# Altium PCB BLDC_DRIVER_1.1_auto.PcbDoc (part 1 of 3) (continued)
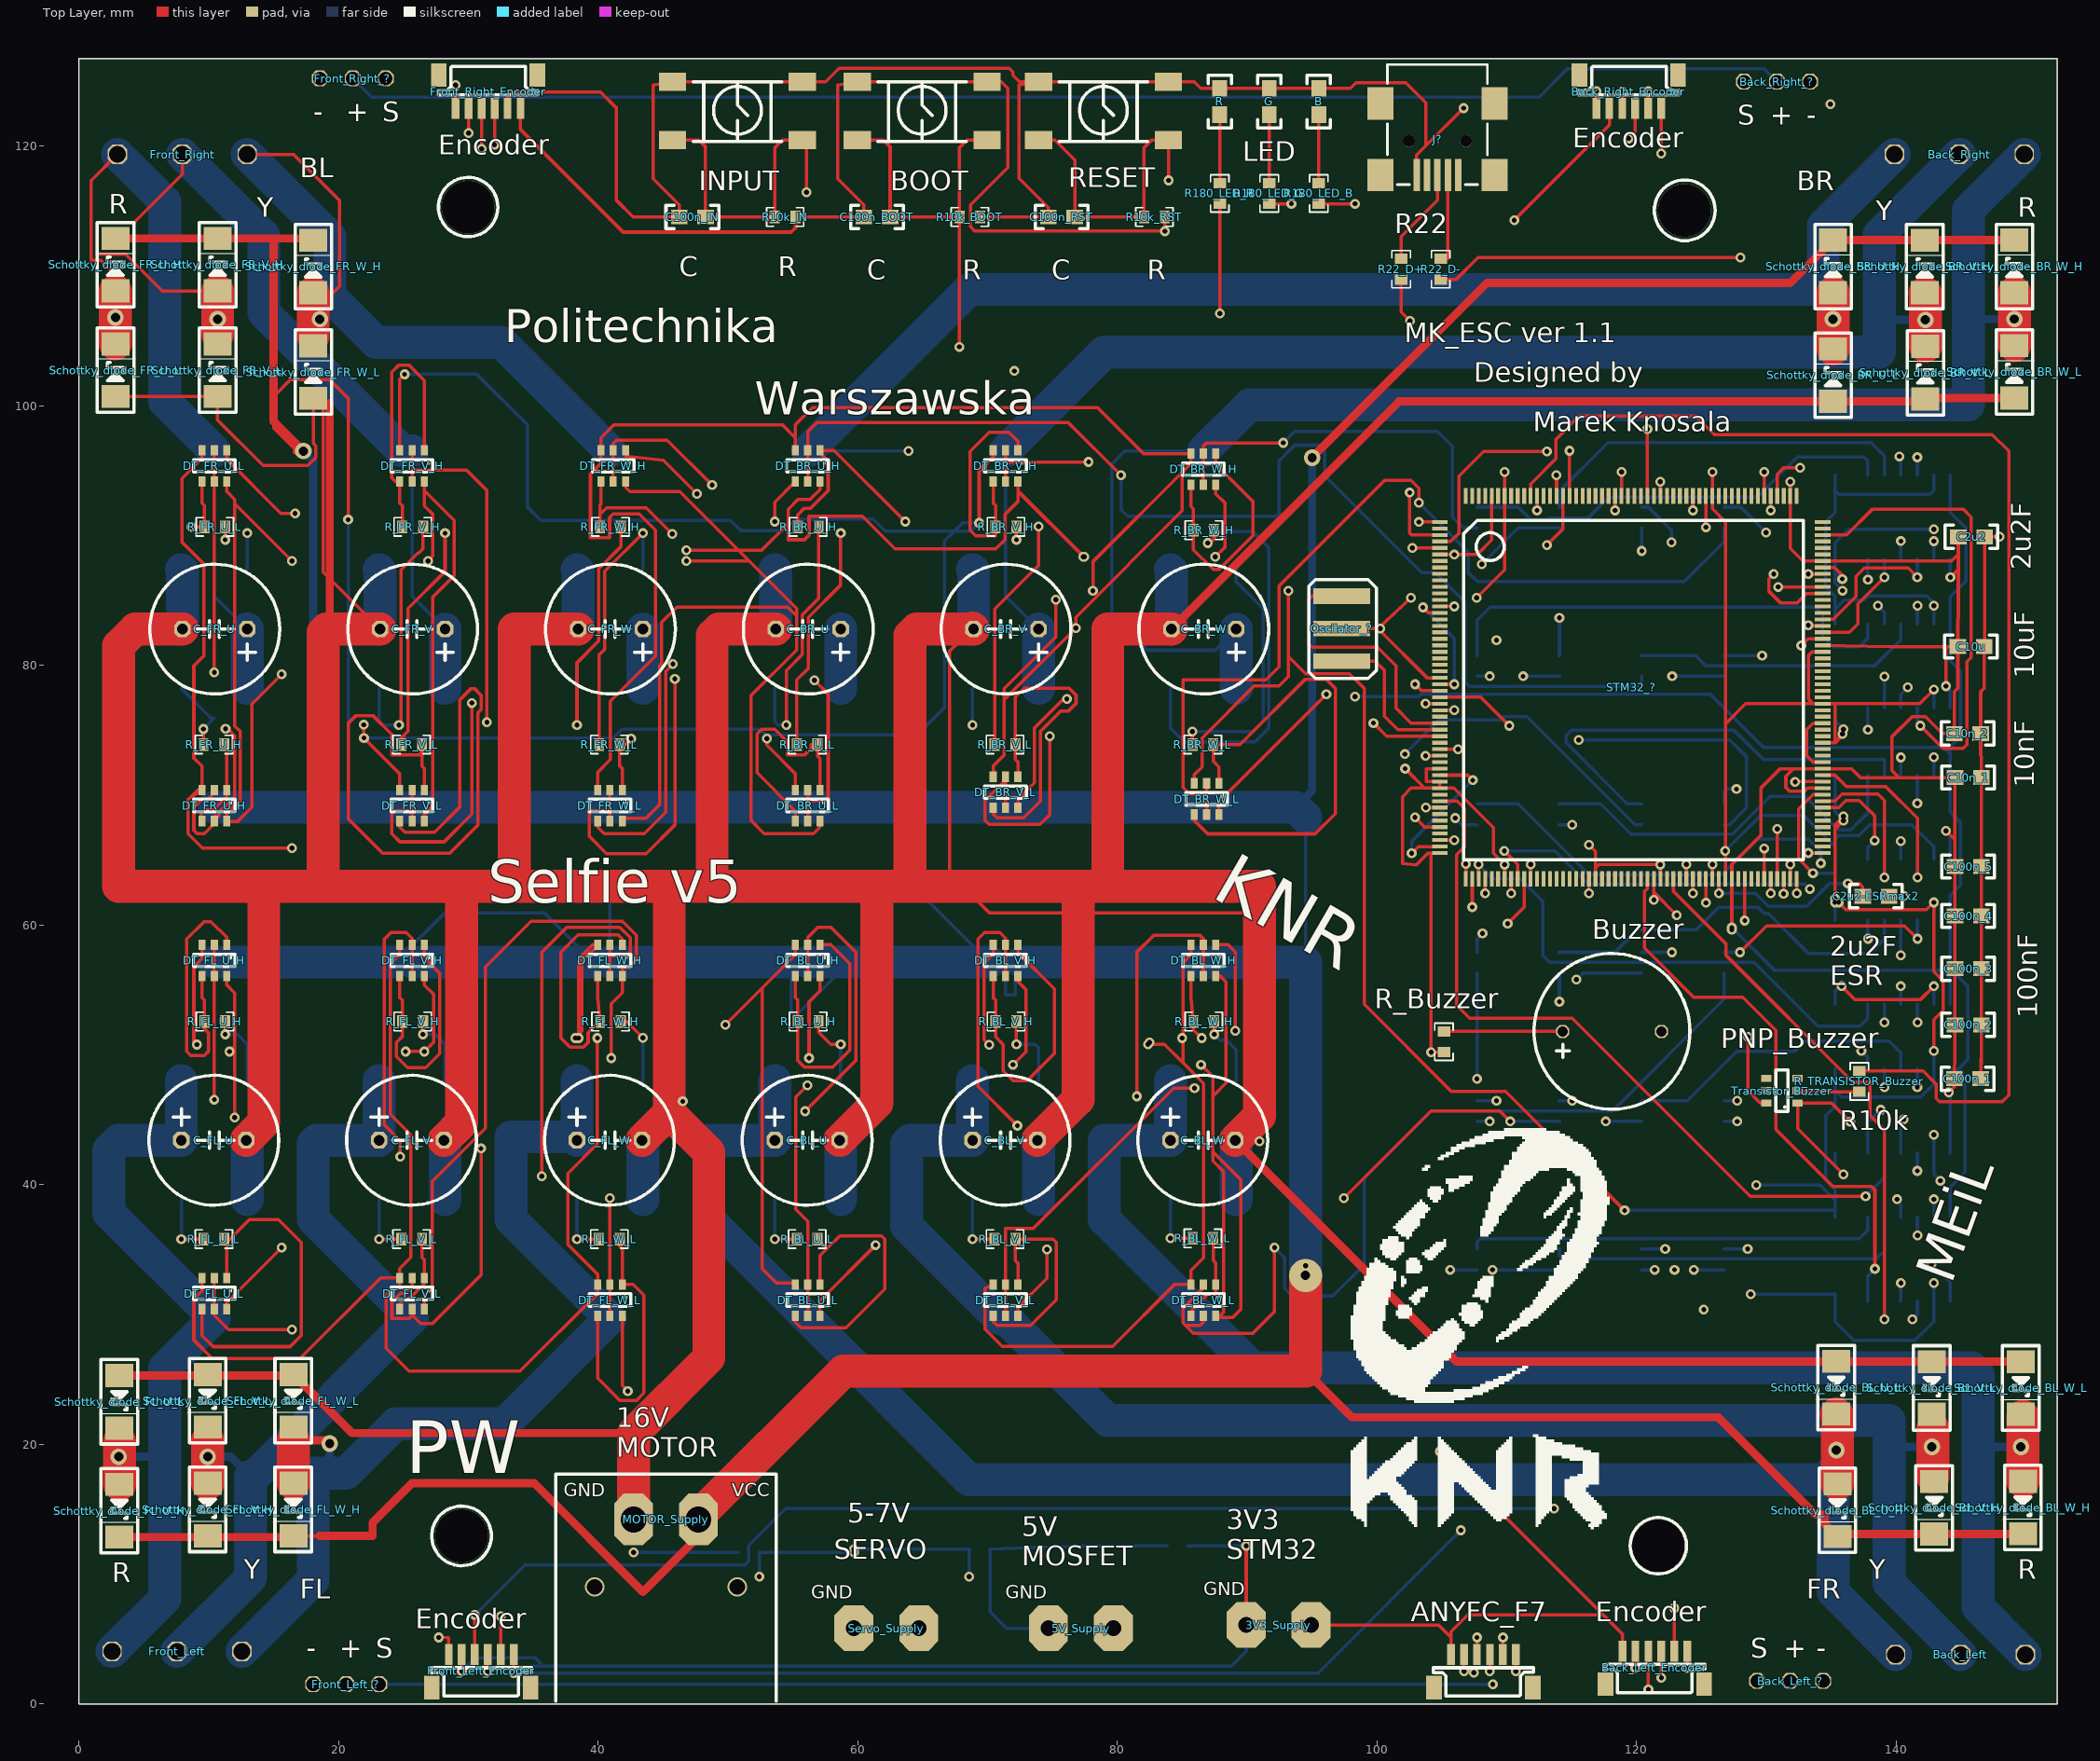
[diagram p0: Top Layer view]
## Components (designator, comment, footprint, x,y, rotation, side; value= is the part's Value field where it differs from the comment) (continued)
DT_FL_W_L "Dual_transistors" SOT457 40.894,29.464 r180 top
DT_FR_U_H "Dual_transistors" SOT457 10.414,67.564 r180 top
DT_FR_U_L "Dual_transistors" SOT457 10.414,93.726 r180 top
DT_FR_V_H "Dual_transistors" SOT457 25.654,93.726 r180 top
DT_FR_V_L "Dual_transistors" SOT457 25.654,67.564 r180 top
DT_FR_W_H "Dual_transistors" SOT457 41.148,93.726 r180 top
DT_FR_W_L "Dual_transistors" SOT457 40.894,67.564 r180 top
Front_Left "3_phase_engine_con" DG300-5.0-03P-12-00A 2.54,4.064 r0 top
Front_Left_? "Servo_con" Raster_2.54_3pin 18.034,1.524 r0 top
Front_Left_Encoder "SPI" "JST SR SH 1.0 TOP" 27.178,1.27 r0 top
Front_Right "3_phase_engine_con" DG300R-5.0-03P-12-00A(H) 12.954,119.38 r180 top
Front_Right_? "Servo_con" Raster_2.54_3pin 18.542,125.222 r0 top
Front_Right_Encoder "SPI" "JST SR SH 1.0 TOP" 35.306,125.476 r180 top
G "LED" 0603 91.694,122.428 r90 top
INPUT "Tact_Switch" "LSH Gullwing" 45.72,124.968 r180 top
J? "65100516121" 65100516121 104.648,121.666 r180 top
MOSFET_BL_U_H "IFR1018EPbF" TO-263 53.594,48.006 r180 bottom
MOSFET_BL_U_L "IFR1018EPbF" TO-263 58.674,38.862 r0 bottom
MOSFET_BL_V_H "IFR1018EPbF" TO-263 68.834,48.006 r180 bottom
MOSFET_BL_V_L "IFR1018EPbF" TO-263 73.914,38.862 r0 bottom
MOSFET_BL_W_H "IFR1018EPbF" TO-263 84.074,48.006 r180 bottom
MOSFET_BL_W_L "IFR1018EPbF" TO-263 89.154,38.862 r0 bottom
MOSFET_BR_U_H "IFR1018EPbF" TO-263 58.674,78.232 r0 bottom
MOSFET_BR_U_L "IFR1018EPbF" TO-263 53.594,87.376 r180 bottom
MOSFET_BR_V_H "IFR1018EPbF" TO-263 73.914,78.232 r0 bottom
MOSFET_BR_V_L "IFR1018EPbF" TO-263 68.834,87.376 r180 bottom
MOSFET_BR_W_H "IFR1018EPbF" TO-263 89.154,78.232 r0 bottom
MOSFET_BR_W_L "IFR1018EPbF" TO-263 84.074,87.376 r180 bottom
MOSFET_FL_U_H "IFR1018EPbF" TO-263 7.874,48.006 r180 bottom
MOSFET_FL_U_L "IFR1018EPbF" TO-263 12.954,38.862 r0 bottom
MOSFET_FL_V_H "IFR1018EPbF" TO-263 23.114,48.006 r180 bottom
MOSFET_FL_V_L "IFR1018EPbF" TO-263 28.194,38.862 r0 bottom
MOSFET_FL_W_H "IFR1018EPbF" TO-263 38.354,48.006 r180 bottom
MOSFET_FL_W_L "IFR1018EPbF" TO-263 43.434,38.862 r0 bottom
MOSFET_FR_U_H "IFR1018EPbF" TO-263 12.954,78.232 r0 bottom
MOSFET_FR_U_L "IFR1018EPbF" TO-263 7.874,87.376 r180 bottom
MOSFET_FR_V_H "IFR1018EPbF" TO-263 28.194,78.232 r0 bottom
MOSFET_FR_V_L "IFR1018EPbF" TO-263 23.114,87.376 r180 bottom
MOSFET_FR_W_H "IFR1018EPbF" TO-263 43.434,78.232 r0 bottom
MOSFET_FR_W_L "IFR1018EPbF" TO-263 38.354,87.376 r180 bottom
MOTOR_Supply "2-pin" XT30-katowy-in 45.212,14.224 r180 top (schematic designator MOT_OUT)
Oscilator_? "CSTCC8M00G53-R0" CSTCC8M00G53-R0 97.282,85.344 r270 top
R "LED" 0603 87.884,122.428 r90 top
R10k_BOOT "Res" R0603 67.818,114.554 r0 top
R10k_IN "Res" R0603 53.594,114.554 r0 top
R10k_RST "Res" R0603 82.042,114.554 r0 top
R22_D+ "Res" R0603 101.854,109.728 r90 top
R22_D- "Res" R0603 104.902,109.728 r90 top
R180_LED_B "Res" R0603 95.504,115.57 r90 top
R180_LED_G "Res" R0603 91.694,115.57 r90 top
R180_LED_R "Res" R0603 87.884,115.57 r90 top
R_BL_U_H "Res" R0603 55.372,52.578 r0 top
R_BL_U_L "Res" R0603 56.896,35.814 r180 top
R_BL_V_H "Res" R0603 70.612,52.578 r0 top
R_BL_V_L "Res" R0603 72.136,35.814 r180 top
R_BL_W_H "Res" R0603 85.852,52.578 r0 top
R_BL_W_L "Res" R0603 87.376,35.872 r180 top
R_BR_U_H "Res" R0603 55.372,90.678 r0 top
R_BR_U_L "Res" R0603 56.896,73.914 r180 top
R_BR_V_H "Res" R0603 70.612,90.678 r0 top
R_BR_V_L "Res" R0603 72.136,73.914 r180 top
R_BR_W_H "Res" R0603 85.852,90.424 r0 top
R_BR_W_L "Res" R0603 87.376,73.914 r180 top
R_Buzzer "Res" R0603 105.156,51.816 r270 top
R_DT_BL_U_H "Res" R0603 120.396,46.482 r270 bottom
R_DT_BL_U_L "Res" R0603 114.046,57.912 r270 bottom
R_DT_BL_V_H "Res" R0603 126.746,46.482 r270 bottom
R_DT_BL_V_L "Res" R0603 120.396,57.912 r270 bottom
R_DT_BL_W_H "Res" R0603 107.696,57.912 r270 bottom
R_DT_BL_W_L "Res" R0603 126.746,57.912 r270 bottom
R_DT_BR_U_H "Res" R0603 120.396,80.772 r270 bottom
R_DT_BR_U_L "Res" R0603 114.046,92.202 r270 bottom
R_DT_BR_V_H "Res" R0603 126.746,80.772 r270 bottom
R_DT_BR_V_L "Res" R0603 120.396,92.202 r270 bottom
R_DT_BR_W_H "Res" R0603 107.696,92.202 r270 bottom
R_DT_BR_W_L "Res" R0603 126.746,92.202 r270 bottom
R_DT_FL_U_H "Res" R0603 107.696,35.052 r270 bottom
R_DT_FL_U_L "Res" R0603 126.746,35.052 r270 bottom
R_DT_FL_V_H "Res" R0603 114.046,35.052 r270 bottom
R_DT_FL_V_L "Res" R0603 107.696,46.482 r270 bottom
R_DT_FL_W_H "Res" R0603 120.396,35.052 r270 bottom
R_DT_FL_W_L "Res" R0603 114.046,46.482 r270 bottom
R_DT_FR_U_H "Res" R0603 114.046,69.342 r270 bottom
R_DT_FR_U_L "Res" R0603 107.696,69.342 r270 bottom
R_DT_FR_V_H "Res" R0603 120.396,69.342 r270 bottom
R_DT_FR_V_L "Res" R0603 107.696,80.772 r270 bottom
R_DT_FR_W_H "Res" R0603 126.746,69.342 r270 bottom
R_DT_FR_W_L "Res" R0603 114.046,80.772 r270 bottom
R_FL_U_H "Res" R0603 9.652,52.578 r0 top
R_FL_U_L "Res" R0603 11.176,35.814 r180 top
R_FL_V_H "Res" R0603 24.892,52.578 r0 top
R_FL_V_L "Res" R0603 26.416,35.814 r180 top
R_FL_W_H "Res" R0603 40.132,52.578 r0 top
R_FL_W_L "Res" R0603 41.656,35.814 r180 top
R_FR_U_H "Res" R0603 11.176,73.914 r180 top
R_FR_U_L "Res" R0603 9.652,90.678 r0 top
R_FR_V_H "Res" R0603 24.892,90.678 r0 top
R_FR_V_L "Res" R0603 26.416,73.914 r180 top
R_FR_W_H "Res" R0603 40.132,90.678 r0 top
R_FR_W_L "Res" R0603 41.656,73.914 r180 top
R_GND_5V_3V3 "Res" R0603 83.82,12.192 r0 bottom
R_GND_MOT_SERV "Res" R0603 50.8,11.684 r0 bottom
R_GND_SERV_5V "Res" R0603 68.58,11.938 r0 bottom
R_TRANSISTOR_Buzzer "Res" R0603 137.16,48.768 r270 top
RESET "Tact_Switch" "LSH Gullwing" 73.914,124.968 r180 top
Schottky_diode_BL_U_H "Schottky_diode" DO-214AC 135.474,12.905 r270 top
Schottky_diode_BL_U_L "Schottky_diode" DO-214AC 135.382,22.352 r270 top
Schottky_diode_BL_V_H "Schottky_diode" DO-214AC 142.928,13.09 r270 top
Schottky_diode_BL_V_L "Schottky_diode" DO-214AC 142.743,22.323 r270 top
Schottky_diode_BL_W_H "Schottky_diode" DO-214AC 149.761,13.11 r270 top
Schottky_diode_BL_W_L "Schottky_diode" DO-214AC 149.601,22.323 r270 top
Schottky_diode_BR_U_H "Schottky_diode" DO-214AC 135.128,112.776 r90 top
Schottky_diode_BR_U_L "Schottky_diode" DO-214AC 135.128,104.394 r90 top
Schottky_diode_BR_V_H "Schottky_diode" DO-214AC 142.194,112.763 r90 top
Schottky_diode_BR_V_L "Schottky_diode" DO-214AC 142.24,104.589 r90 top
Schottky_diode_BR_W_H "Schottky_diode" DO-214AC 149.098,112.776 r90 top
Schottky_diode_BR_W_L "Schottky_diode" DO-214AC 149.098,104.648 r90 top
Schottky_diode_FL_U_H "Schottky_diode" DO-214AC 3.102,12.867 r270 top
Schottky_diode_FL_U_L "Schottky_diode" DO-214AC 3.102,21.249 r270 top
Schottky_diode_FL_V_H "Schottky_diode" DO-214AC 9.906,12.954 r270 top
Schottky_diode_FL_V_L "Schottky_diode" DO-214AC 9.906,21.336 r270 top
Schottky_diode_FL_W_H "Schottky_diode" DO-214AC 16.51,12.954 r270 top
Schottky_diode_FL_W_L "Schottky_diode" DO-214AC 16.51,21.336 r270 top
Schottky_diode_FR_U_H "Schottky_diode" DO-214AC 2.794,112.903 r90 top
Schottky_diode_FR_U_L "Schottky_diode" DO-214AC 2.794,104.775 r90 top
Schottky_diode_FR_V_H "Schottky_diode" DO-214AC 10.668,112.903 r90 top
Schottky_diode_FR_V_L "Schottky_diode" DO-214AC 10.668,104.775 r90 top
Schottky_diode_FR_W_H "Schottky_diode" DO-214AC 18.034,112.762 r90 top
Schottky_diode_FR_W_L "Schottky_diode" DO-214AC 18.034,104.634 r90 top
Servo_Supply "2-pin" 2-pin-zielony-prosty 59.69,5.842 r0 top
STM32_? "STM32F769BGT6-SELFIE" LQFP208 106.68,92.456 r0 top
TO1 "HCPL-090J" SOIC-16 144.272,31.496 r180 bottom
TO2 "HCPL-090J" SOIC-16 144.272,42.926 r180 bottom
TO3 "HCPL-090J" SOIC-16 144.272,54.356 r180 bottom
TO4 "HCPL-090J" SOIC-16 144.272,65.532 r180 bottom
TO5 "HCPL-090J" SOIC-16 144.272,77.216 r180 bottom
TO6 "HCPL-090J" SOIC-16 144.272,88.646 r180 bottom
Transistor_Buzzer "PBSS4160DPN.115" SOT457 129.54,47.244 r90 top

## Footprints (in the part's own frame and the unit in brackets; to place one, negate y for a bottom-side part, rotate by r counter-clockwise, add the part's x,y. Pads: shape width x height; smd on the part's side, far side on the other; paste and mask are expansions set on the pad)
2-pin-zielony-prosty [mm]
  oct 3x3.5 hole 1.2: 1(0,0) 2(5,0)
  body extent -3.5,-4.7 8.5,3.8, height 12
5mm [mil]
  oct 50x50 hole 32: 1(0,0) 2(196.85,0)
  silkscreen extent -98,-197 295,197, body extent -98,-197 295,197, height 787
0603 [mil]
  rect 50x45 smd: 1(0,0) 2(80,0)
  silkscreen extent -40,-35 120,35, body extent 9,-17 72,17, height 33
65100516121 [mm] "Mini USB 2.0 Type B SMT Horizontal 5 Contacts"
  rect 0.5x2.5 smd: 1(-1.6,3.875) 2(-0.8,3.875) 3(0,3.875) 4(0.8,3.875) 5(1.6,3.875)
  round 0.9 hole 0.9 unplated: MH1(-2.2,1.275) MH2(2.2,1.275)
  rect 2x2.5 smd: Shell(-4.4,3.875) Shell(-4.4,-1.625) Shell(4.4,3.875) Shell(4.4,-1.625)
  silkscreen extent -3.85,-4.62 3.85,4.62, body extent -4.8,-4.62 4.8,4.63, height 3.92
Buzzer_LOUDITY [mm]
  oct 1x1 hole 0.8: 1(-7.6,0) 2(0,0)
  silkscreen extent -9.8,-6 2.2,6, body extent -9.8,-6 5.65,6, height 9.65
CSTCC8M00G53-R0 [mm]
  rect 1.2x4.4 smd: 1(0,0) 2(2.5,0) 3(5,0)
  silkscreen extent -1.27,-2.54 6.35,2.67, body extent -1.06,-1.52 6.14,1.48, height 1.25
DG300-5.0-03P-12-00A [mm]
  oct 1.5x1.5 hole 1.3: 1(0,0) 2(5,0) 3(10,0)
  body extent -2.5,-4 12.5,5, height 12.6
DG300R-5.0-03P-12-00A(H) [mm]
  oct 1.5x1.5 hole 1.3: 1(0,0) 2(5,0) 3(10,0)
  body extent -2.5,-7.3 13.1,2.7, height 7.6
DO-214AC [mm]
  rect 1.78x2.16 smd: 1(-4.05,0) 2(0,0)
  Top Layer lines w0.051: -1.092,-1.575 -1.143,-1.524
  silkscreen extent -5.28,-1.52 1.22,1.4, body extent -4.55,-1.43 0.45,1.27, height 2.33
"JST SR SH 1.0 TOP" [mm]
  rect 0.6x1.6 smd: 1(1.3,2.55) 2(2.3,2.55) 3(3.3,2.55) 4(4.3,2.55) 5(5.3,2.55) 6(6.3,2.55)
  rect 1.2x1.8 smd: 7(7.6,0) 8(0,0)
  silkscreen extent -0.05,-0.66 7.67,1.52, body extent -0.19,-0.74 7.81,2.86, height 4.25
LQFP208 [mm]
  rect 1.2x0.3 smd: 1(-1.85,-1.4) 2(-1.85,-1.9) 3(-1.85,-2.4) 4(-1.85,-2.9) 5(-1.85,-3.4) 6(-1.85,-3.9) 7(-1.85,-4.4) 8(-1.85,-4.9) 9(-1.85,-5.4) 10(-1.85,-5.9) 11(-1.85,-6.4) 12(-1.85,-6.9) 13(-1.85,-7.4) 14(-1.85,-7.9) 15(-1.85,-8.4) 16(-1.85,-8.9) 17(-1.85,-9.4) 18(-1.85,-9.9) 19(-1.85,-10.4) 20(-1.85,-10.9) 21(-1.85,-11.4) 22(-1.85,-11.9) 23(-1.85,-12.4) 24(-1.85,-12.9) 25(-1.85,-13.4) 26(-1.85,-13.9) 27(-1.85,-14.4) 28(-1.85,-14.9) 29(-1.85,-15.4) 30(-1.85,-15.9) 31(-1.85,-16.4) 32(-1.85,-16.9) 33(-1.85,-17.4) 34(-1.85,-17.9) 35(-1.85,-18.4) 36(-1.85,-18.9) 37(-1.85,-19.4) 38(-1.85,-19.9) 39(-1.85,-20.4) 40(-1.85,-20.9) 41(-1.85,-21.4) 42(-1.85,-21.9) 43(-1.85,-22.4) 44(-1.85,-22.9) 45(-1.85,-23.4) 46(-1.85,-23.9) 47(-1.85,-24.4) 48(-1.85,-24.9) 49(-1.85,-25.4) 50(-1.85,-25.9) 51(-1.85,-26.4) 52(-1.85,-26.9) 105(27.65,-26.9) 106(27.65,-26.4) 107(27.65,-25.9) 108(27.65,-25.4) 109(27.65,-24.9) 110(27.65,-24.4) 111(27.65,-23.9) 112(27.65,-23.4) 113(27.65,-22.9) 114(27.65,-22.4) 115(27.65,-21.9) 116(27.65,-21.4) 117(27.65,-20.9) 118(27.65,-20.4) 119(27.65,-19.9) 120(27.65,-19.4) 121(27.65,-18.9) 122(27.65,-18.4) 123(27.65,-17.9) 124(27.65,-17.4) 125(27.65,-16.9) 126(27.65,-16.4) 127(27.65,-15.9) 128(27.65,-15.4) 129(27.65,-14.9) 130(27.65,-14.4) 131(27.65,-13.9) 132(27.65,-13.4) 133(27.65,-12.9) 134(27.65,-12.4) 135(27.65,-11.9) 136(27.65,-11.4) 137(27.65,-10.9) 138(27.65,-10.4) 139(27.65,-9.9) 140(27.65,-9.4) 141(27.65,-8.9) 142(27.65,-8.4) 143(27.65,-7.9) 144(27.65,-7.4) 145(27.65,-6.9) 146(27.65,-6.4) 147(27.65,-5.9) 148(27.65,-5.4) 149(27.65,-4.9) 150(27.65,-4.4) 151(27.65,-3.9) 152(27.65,-3.4) 153(27.65,-2.9) 154(27.65,-2.4) 155(27.65,-1.9) 156(27.65,-1.4)
  rect 0.3x1.2 smd: 53(0.15,-28.9) 54(0.65,-28.9) 55(1.15,-28.9) 56(1.65,-28.9) 57(2.15,-28.9) 58(2.65,-28.9) 59(3.15,-28.9) 60(3.65,-28.9) 61(4.15,-28.9) 62(4.65,-28.9) 63(5.15,-28.9) 64(5.65,-28.9) 65(6.15,-28.9) 66(6.65,-28.9) 67(7.15,-28.9) 68(7.65,-28.9) 69(8.15,-28.9) 70(8.65,-28.9) 71(9.15,-28.9) 72(9.65,-28.9) 73(10.15,-28.9) 74(10.65,-28.9) 75(11.15,-28.9) 76(11.65,-28.9) 77(12.15,-28.9) 78(12.65,-28.9) 79(13.15,-28.9) 80(13.65,-28.9) 81(14.15,-28.9) 82(14.65,-28.9) 83(15.15,-28.9) 84(15.65,-28.9) 85(16.15,-28.9) 86(16.65,-28.9) 87(17.15,-28.9) 88(17.65,-28.9) 89(18.15,-28.9) 90(18.65,-28.9) 91(19.15,-28.9) 92(19.65,-28.9) 93(20.15,-28.9) 94(20.65,-28.9) 95(21.15,-28.9) 96(21.65,-28.9) 97(22.15,-28.9) 98(22.65,-28.9) 99(23.15,-28.9) 100(23.65,-28.9) 101(24.15,-28.9) 102(24.65,-28.9) 103(25.15,-28.9) 104(25.65,-28.9) 157(25.65,0.6) 158(25.15,0.6) 159(24.65,0.6) 160(24.15,0.6) 161(23.65,0.6) 162(23.15,0.6) 163(22.65,0.6) 164(22.15,0.6) 165(21.65,0.6) 166(21.15,0.6) 167(20.65,0.6) 168(20.15,0.6) 169(19.65,0.6) 170(19.15,0.6) 171(18.65,0.6) 172(18.15,0.6) 173(17.65,0.6) 174(17.15,0.6) 175(16.65,0.6) 176(16.15,0.6) 177(15.65,0.6) 178(15.15,0.6) 179(14.65,0.6) 180(14.15,0.6) 181(13.65,0.6) 182(13.15,0.6) 183(12.65,0.6) 184(12.15,0.6) 185(11.65,0.6) 186(11.15,0.6) 187(10.65,0.6) 188(10.15,0.6) 189(9.65,0.6) 190(9.15,0.6) 191(8.65,0.6) 192(8.15,0.6) 193(7.65,0.6) 194(7.15,0.6) 195(6.65,0.6) 196(6.15,0.6) 197(5.65,0.6) 198(5.15,0.6) 199(4.65,0.6) 200(4.15,0.6) 201(3.65,0.6) 202(3.15,0.6) 203(2.65,0.6) 204(2.15,0.6) 205(1.65,0.6) 206(1.15,0.6) 207(0.65,0.6) 208(0.15,0.6)
  silkscreen extent 0,-27.43 26.16,-1.27, body extent -1.84,-28.92 27.66,0.58, height 1.39
"LSH Gullwing" [mm]
  rect 2.1x1.4 smd: 1(-10,4.5) 2(0,4.5) 3(-10,0) 4(0,0)
  silkscreen extent -8.4,0 -1.6,4.6, body extent -10,-0.75 0,5.25, height 4.97
R0603 [mil]
  rect 31x38 smd: 1(0,0) 2(63,0)
  silkscreen extent -25,-28 88,28, body extent -1,-17 62,17, height 19
Raster_2.54_3pin [mm]
  oct 1.22x1.22 hole 1.05: 1(0,0) 2(2.54,0) 3(5.08,0)
  body extent -1.27,-1.27 6.35,1.27, height 8.57
SOIC-16 [mm]
  rect 0.72x1.78 smd: 1(0.11,-0.46) 2(1.38,-0.46) 3(2.65,-0.46) 4(3.92,-0.46) 5(5.19,-0.46) 6(6.46,-0.46) 7(7.73,-0.46) 8(9,-0.46) 9(9,6) 10(7.73,6) 11(6.46,6) 12(5.19,6) 13(3.92,6) 14(2.65,6) 15(1.38,6) 16(0.11,6)
  silkscreen extent -0.53,0.79 9.63,4.73, body extent -0.5,-0.3 9.7,5.7, height 1.7
SOT457 [mm]
  rect 0.55x0.8 smd: 1(-0.95,-2.85) 2(0,-2.85) 3(0.95,-2.85) 4(0.95,-0.45) 5(0,-0.45) 6(-0.95,-0.45)
  silkscreen extent -1.6,-2.13 1.6,-1.18, body extent -1.45,-3.05 1.45,-0.25, height 1.23
TO-263 [mm]
  rect 10.8x9.4 smd: D(-2.54,9.15)
  rect 1.35x4.6 smd: G(-5.08,0) S(0,0)
  silkscreen extent -8.89,-3.05 3.81,14.48, body extent -7.54,-1.94 2.46,13.73, height 4.83
XT30-katowy-in [mm]
  oct 3x4 hole 2: 1(2.5,0) 2(-2.5,0)
  silkscreen extent -8.5,-3.5 8.5,14, body extent -6.65,-0.91 6.65,14.1, height 5.2

## Part data
J?: "Mini USB 2.0 Type B Receptacle WR-COM, Horizontal, SMT, with Pads and Pegs"

## Via types
v1: diameter 0.762, hole 0.381, Top Layer to Bottom Layer, 350 vias
v2: diameter 1.27, hole 0.711, Top Layer to Bottom Layer, 11 vias
v3: diameter 4.064, hole 4.064, Top Layer to Bottom Layer, 4 vias
v4: diameter 1.27, hole 0.711, Top Layer to Bottom Layer, tented both sides, 3 vias
v5: diameter 1.5, hole 1.2, Top Layer to Bottom Layer, 2 vias
v6: diameter 2.54, hole 0.711, Top Layer to Bottom Layer, 1 vias

## Nets (pads, with @x,y where several pads share a name; then routed paths per layer and width w, separated by ;. In a path a pad name is that pad's centre, name@x,y a point inside that pad or via, vN(x,y) a via of type N, cw(c..) or ccw(c..) an arc to the next point about the centre after c; other vN are vias at no path point)
3V3: 3V3_Supply.2 ANYFC_F7.1 Back_Left_Encoder.1 Back_Right_Encoder.1 BOOT.3 BOOT.4 C2u2.2 C10n_1.2 C10n_2.2 C10u.2 C100n_1.2 C100n_2.2 C100n_3.2 C100n_4.2 C100n_5.2 C100n_BOOT.2 Front_Left_Encoder.1 Front_Right_Encoder.1 R10k_IN.2 R10k_RST.2 R_Buzzer.2 STM32_?.6 STM32_?.15 STM32_?.26 STM32_?.39 STM32_?.41 STM32_?.42 STM32_?.52 STM32_?.59 STM32_?.73 STM32_?.83 STM32_?.94 STM32_?.103 STM32_?.115 STM32_?.118 STM32_?.137 STM32_?.150 STM32_?.158 STM32_?.171 STM32_?.185 STM32_?.204 TO1.1 TO2.1 TO3.1 TO4.1 TO5.1 TO6.1 | length 610
  Top Layer w0.254: v1(27.711,5.131) 28.478,5.126 Front_Left_Encoder.1@28.478,3.82 ; Front_Right_Encoder.1@34.006,122.926 34.006,121.29 41.91,113.386 54.864,113.386 55.194,113.716 R10k_IN.2@55.194,114.554 C100n_BOOT.2@60.452,114.554 60.452,115.494 58.445,117.5 58.445,124.714 BOOT.4@59.944,124.968 BOOT.3@69.944,124.968 71.044,124.968 71.552,124.46 71.552,118.364 68.682,115.494 68.682,113.792 69.012,113.462 v1(83.642,113.462) R10k_RST.2@83.642,114.554 ; 3V3_Supply.2@94.916,6.096 104.729,6.096 105.694,5.131 ; v1(102.159,72.06) 103.663,70.556 ; v1(103.53,84.48) 103.955,84.056 STM32_?.15@104.83,84.056 ; v1(104.826,19.456) 117.424,6.858 ; STM32_?.52@104.83,65.556 104.165,65.556 ; STM32_?.39@104.83,72.056 103.81,72.056 103.81,71.056 STM32_?.41@104.83,71.056 STM32_?.42@104.83,70.556 ; STM32_?.26@104.83,78.556 v1(105.938,78.556) ; STM32_?.6@104.83,88.556 v1@105.932,88.556 ; R_Buzzer.2@105.156,50.216 v1(104.165,50.216) 104.165,65.556 ; ANYFC_F7.1@105.694,3.82 105.694,5.131 ; v1(105.943,88.544) v1@105.932,88.556 ; STM32_?.204@108.83,93.056 108.83,89.662 107.724,88.556 v1@105.932,88.556 ; STM32_?.59@109.83,63.556 v1(109.83,64.664) 109.83,64.668 108.966,65.532 108.966,67.508 105.918,70.556 STM32_?.42@104.83,70.556 ; v1(116.322,66.192) 116.83,65.684 116.83,64.42 ; STM32_?.73@116.83,63.556 116.83,64.42 ; STM32_?.185@118.33,93.056 118.33,91.957 v1(118.339,91.948) ; Back_Left_Encoder.1@118.902,4.074 118.902,5.38 117.424,6.858 ; v1@121.81,64.684 117.094,64.684 116.83,64.42 ; STM32_?.83@121.83,63.556 v1(121.83,64.664) ; v1(121.89,119.431) Back_Right_Encoder.1@121.89,122.926 ; v1(125.33,90.653) STM32_?.171@125.33,93.056 ; v1(127.33,59.639) v1(127.33,59.652) STM32_?.94@127.33,63.556 127.33,64.691 129.591,66.952 129.591,70.583 131.064,72.056 132.08,72.056 ; v1(131.826,64.668) 131.83,64.664 STM32_?.103@131.83,63.556 ; v1(131.83,94.164) STM32_?.158@131.83,93.056 131.83,89.023 132.797,88.056 STM32_?.150@134.33,88.056 144.272,88.056 144.78,88.564 ; STM32_?.115@134.33,70.556 133.167,70.556 132.944,70.333 131.775,70.333 131.496,70.612 131.496,71.472 132.08,72.056 ; STM32_?.137@134.33,81.556 139.564,81.463 143.84,81.463 ; v1(143.84,67.259) 144.526,66.573 ; v1(143.84,78.41) 143.84,81.463 ; v1(144.043,47.117) 144.474,47.548 C100n_1.2@144.474,48.167 144.526,50.319 C100n_2.2@144.526,52.324 C100n_3.2@144.526,56.642 C100n_4.2@144.526,60.706 C100n_5.2@144.526,64.516 144.526,66.573 ; v1(144.17,86.792) 144.78,87.401 ; C2u2.2@144.78,89.916 144.78,88.564 ; 103.663,70.556 102.616,70.556 101.955,69.895 101.955,64.736 103.018,64.631 103.943,65.556 104.165,65.556 ; 103.663,70.556 STM32_?.42@104.83,70.556 ; 105.694,5.131 105.694,5.567 106.985,6.858 117.424,6.858 ; 132.08,72.056 STM32_?.118@134.33,72.056 136.55,72.056 137.232,71.374 140.208,71.374 ; 140.208,71.374 C10n_1.2@144.526,71.374 144.526,66.573 ; 140.208,71.374 139.649,71.933 139.649,74.498 141.224,76.073 142.24,76.073 143.548,74.765 C10n_2.2@144.474,74.765 144.474,77.978 144.744,78.248 C10u.2@144.744,81.463 ; 143.84,81.463 C10u.2@144.744,81.463 ; C10u.2@144.744,81.463 144.78,85.685 144.78,87.401 ; 144.78,87.401 144.78,88.564
  Top Layer w0.305: v1@121.81,64.684 v1(121.83,64.664)
  Signal Layer 1 w0.305: v1(27.711,5.131) 28.448,5.867 51.333,5.867 54.813,2.388 93.472,2.388 94.916,3.832 3V3_Supply.2@94.916,6.096 ; v1(83.642,113.462) 89.611,119.431 v1(121.89,119.431) ; v1(102.159,72.06) 102.997,72.898 102.997,77.546 104.007,78.556 v1(105.938,78.556) ; v1(109.83,64.664) 111.358,66.192 v1(116.322,66.192) ; v1(118.339,91.948) 119.634,90.653 v1(125.33,90.653) 128.841,94.164 v1(131.83,94.164) ; v1(121.83,64.664) 122.307,64.187 122.307,60.102 122.757,59.652 v1(127.33,59.652) ; v1(127.33,59.817) 125.857,59.817 123.593,62.081 123.593,63.195 124.203,63.805 130.962,63.805 v1(131.826,64.668)
  Signal Layer 2 w0.305: v1(103.53,84.48) 103.53,86.131 v1(105.943,88.544) ; v1(104.165,50.216) 104.826,49.555 v1(104.826,19.456) ; v1(118.339,91.948) 118.085,92.202 118.085,116.053 121.463,119.431 v1(121.89,119.431) ; v1(142.723,33.901) 142.723,37.262 142.138,37.846 142.138,40.335 142.367,40.564 142.367,42.469 141.732,43.104 141.732,44.806 v1(144.043,47.117)
  Bottom Layer w0.254: v1(103.53,84.48) 105.938,82.073 v1(105.938,78.556) ; v1(127.33,59.639) v1@127.419,59.728 ; v1(127.33,59.817) v1@127.419,59.728 ; v1(142.723,33.901) 144.162,32.461 TO1.1@144.162,31.036 ; v1(143.84,67.259) 144.162,66.937 TO4.1@144.162,65.072 ; v1(143.84,78.41) 144.162,78.088 TO5.1@144.162,76.756 ; v1(144.043,47.117) 144.162,46.998 TO2.1@144.162,42.466 ; TO3.1@144.162,53.896 144.162,55.88 143.527,56.515 130.632,56.515 v1@127.419,59.728 ; TO6.1@144.162,88.186 144.162,86.8 v1(144.17,86.792)
GND_3V3: 3V3_Supply.1 ANYFC_F7.2 B.2 Back_Left_Encoder.2 Back_Right_Encoder.2 C2u2.1 C10n_1.1 C10n_2.1 C10u.1 C100n_1.1 C100n_2.1 C100n_3.1 C100n_4.1 C100n_5.1 C100n_IN.2 C100n_RST.2 Front_Left_Encoder.2 Front_Right_Encoder.2 G.2 INPUT.3 INPUT.4 J?.5 Oscilator_?.2 R10k_BOOT.2 R.2 R_GND_5V_3V3.2 RESET.3 RESET.4 STM32_?.14 STM32_?.25 STM32_?.40 STM32_?.51 STM32_?.60 STM32_?.72 STM32_?.82 STM32_?.93 STM32_?.114 STM32_?.122 STM32_?.128 STM32_?.136 STM32_?.149 STM32_?.170 STM32_?.184 STM32_?.202 TO1.2 TO1.8 TO2.2 TO2.8 TO3.2 TO3.8 TO4.2 TO4.8 TO5.2 TO5.8 TO6.2 TO6.8 Transistor_Buzzer.1 | length 693
  Top Layer w0.254: Front_Left_Encoder.2@29.478,3.82 29.478,2.526 v1(29.489,2.515) ; Front_Right_Encoder.2@33.006,122.926 33.006,123.913 33.274,124.181 40.157,124.181 41.402,122.936 41.402,115.824 42.672,114.554 C100n_IN.2@46.228,114.554 46.228,115.494 44.221,117.5 44.221,124.714 INPUT.4@45.72,124.968 INPUT.3@55.72,124.968 57.506,124.968 58.547,126.009 71.653,126.009 71.933,125.73 71.933,125.476 72.441,124.968 RESET.4@73.914,124.968 ; R10k_BOOT.2@69.418,114.554 C100n_RST.2@74.676,114.554 74.676,115.265 72.415,117.526 72.415,124.714 RESET.4@73.914,124.968 ; 3V3_Supply.1@89.916,6.096 v1(89.916,12.192) ; Oscilator_?.2@97.282,82.844 v1@100.062,82.844 ; v1(100.228,82.844) v1@100.062,82.844 ; v1(102.601,85.217) 100.151,82.927 v1@100.062,82.844 ; v1(102.666,65.548) 103.174,66.056 STM32_?.51@104.83,66.056 ; J?.5@103.048,117.791 103.048,119.328 103.759,120.04 ; STM32_?.40@104.83,71.556 106.981,71.556 v1(107.371,71.166) ; STM32_?.25@104.83,79.056 103.85,79.056 v1@100.062,82.844 ; STM32_?.14@104.83,84.556 v1(105.938,84.556) ; v1(106.656,122.936) 103.759,120.04 ; v1(106.694,2.515) v1@106.694,2.526 ; ANYFC_F7.2@106.694,3.82 v1@106.694,2.794 ; v1(106.705,2.515) v1@106.694,2.526 ; v1(107.467,2.413) 107.366,2.515 106.973,2.515 v1@106.694,2.794 ; v1(107.671,85.217) 109.83,87.376 STM32_?.202@109.83,93.056 v1(109.83,94.92) ; STM32_?.60@110.33,63.556 110.33,62.466 v1(110.338,62.459) ; v1(116.33,62.459) STM32_?.72@116.33,63.556 ; STM32_?.184@118.83,93.056 v1(118.83,94.92) ; v1(119.902,2.766) Back_Left_Encoder.2@119.902,4.074 ; v1(120.879,124.231) 120.89,124.22 Back_Right_Encoder.2@120.89,122.926 ; v1(121.33,61.94) 121.33,62.53 ; STM32_?.82@121.33,63.556 121.33,62.53 ; v1(123.088,60.772) 121.33,62.53 ; v1(125.83,94.92) STM32_?.170@125.83,93.056 125.83,92.077 126.83,91.077 126.83,75.497 ; v1(126.822,65.71) v1@126.83,65.702 ; STM32_?.93@126.83,63.556 v1@126.83,65.702 ; Transistor_Buzzer.1@132.39,46.294 Transistor_Buzzer.1@132.41,46.294 ; v1(133.579,64.008) 132.486,65.1 132.486,68.957 133.586,70.056 STM32_?.114@134.33,70.056 ; STM32_?.122@134.33,74.056 135.194,74.056 ; STM32_?.136@134.33,81.056 133.506,81.056 133.222,80.772 133.222,77.438 133.604,77.056 ; STM32_?.149@134.33,87.556 135.255,87.556 135.839,86.972 v1(135.839,86.667) ; v1(135.78,55.294) 136.794,54.28 141.878,54.28 v1(142.892,55.294) ; v1(135.865,74.727) 135.28,74.143 ; v1(135.93,75.093) 135.93,74.676 135.31,74.056 135.28,74.056 ; v1(135.941,40.791) 132.41,44.321 Transistor_Buzzer.1@132.41,46.294 ; v1(136.449,44.856) 135.011,46.294 Transistor_Buzzer.1@132.41,46.294 ; v1(142.9,78.156) 141.801,77.056 135.28,77.056 ; C100n_1.1@146.506,48.167 146.558,50.319 C100n_2.1@146.558,52.324 C100n_3.1@146.558,56.642 C100n_4.1@146.558,60.706 C100n_5.1@146.558,64.516 C10n_1.1@146.558,71.374 146.558,73.025 146.506,73.077 C10n_2.1@146.506,74.765 146.506,77.978 146.776,78.248 C10u.1@146.776,81.463 146.812,81.463 C2u2.1@146.812,89.916 v1(147.955,89.916) ; RESET.4@73.914,124.968 RESET.3@83.914,124.968 85.903,124.968 86.411,124.46 R.2@87.884,124.46 G.2@91.694,124.46 B.2@95.504,124.46 97.942,124.46 98.374,124.892 102.21,124.892 103.759,123.342 103.759,120.04 ; v1@106.694,2.526 v1@106.694,2.794 ; v1@126.83,65.702 126.83,65.71 126.83,75.497 ; 126.83,75.497 128.389,77.056 133.604,77.056 ; 133.604,77.056 STM32_?.128@134.33,77.056 135.28,77.056 ; 135.194,74.056 135.28,74.143 ; 135.194,74.056 135.28,74.056 ; 135.28,74.056 135.28,74.143 ; 135.28,74.143 135.28,77.056
  Signal Layer 1 w0.305: 3V3_Supply.1@89.916,6.096 89.916,8.001 90.17,8.255 100.954,8.255 v1(106.694,2.515) ; v1(100.228,82.844) v1(102.601,85.217) 105.277,85.217 ; v1(102.666,65.548) 104.795,63.419 109.377,63.419 v1(110.338,62.459) v1(116.33,62.459) 120.811,62.459 v1(121.33,61.94) ; v1(105.938,84.556) 105.277,85.217 ; v1(106.656,122.936) 119.583,122.936 v1(120.879,124.231) ; v1(106.705,2.515) 108.001,3.81 118.858,3.81 119.391,3.277 ; v1(107.467,2.413) 108.331,3.277 119.391,3.277 ; v1(107.671,85.217) 105.277,85.217 ; v1(109.83,94.92) 110.313,95.402 118.347,95.402 v1(118.83,94.92) v1(125.83,94.92) ; v1(119.902,2.766) 119.391,3.277 ; v1(119.913,2.769) 119.405,3.277 119.391,3.277 ; v1(123.088,60.772) 123.085,60.775 123.085,65.402 123.393,65.71 v1(126.822,65.71) ; v1(136.449,44.856) 137.441,43.864 v1(142.892,43.864) ; v1(142.892,89.584) 143.224,89.916 143.485,89.916 ; v1(142.9,90.5) 143.485,89.916 ; v1(147.955,89.916) 143.485,89.916
  Signal Layer 2 w0.305: v1(106.656,122.936) 109.83,119.762 v1(109.83,94.92) ; v1(119.913,2.769) 122.428,2.769 123.165,2.032 127.508,2.032 128.778,3.302 v1(128.778,31.572) ; v1(133.579,64.008) 134.423,63.163 134.423,56.651 v1(135.78,55.294) ; v1(135.865,74.727) v1(135.865,85.767) ; v1(142.892,32.436) 143.637,33.181 143.637,40.073 v1(143.4,40.31) ; v1(142.892,43.864) 144.78,45.752 144.78,53.406 v1(142.892,55.294)
  Bottom Layer w0.254: v1(29.489,2.515) 30.556,3.581 35.103,3.581 35.763,2.921 ; 35.001,2.921 88.773,2.921 89.916,4.064 3V3_Supply.1@89.916,6.096 ; R_GND_5V_3V3.2@85.42,12.192 v1(89.916,12.192) ; v1(102.666,65.548) 102.666,66.461 v1(107.371,71.166) ; v1(126.822,65.71) 129.576,68.463 132.849,68.463 135.272,66.04 ; v1(128.778,31.572) 135.272,31.572 TO1.8@135.272,31.036 135.272,29.464 136.72,28.016 141.444,28.016 142.892,29.464 TO1.2@142.892,31.036 v1(142.892,32.436) ; v1(133.579,64.008) 135.272,64.008 TO4.8@135.272,65.072 135.272,66.04 ; TO2.8@135.272,42.466 135.272,41.46 v1(135.941,40.791) ; TO3.8@135.272,53.896 135.272,54.93 135.636,55.294 v1(135.78,55.294) ; TO5.8@135.272,76.756 135.272,75.751 v1(135.93,75.093) ; v1(135.839,86.667) 135.272,87.234 ; v1(135.865,85.767) 135.272,86.36 135.272,87.234 ; v1(142.892,43.864) TO2.2@142.892,42.466 142.892,40.818 v1(143.4,40.31) ; TO3.2@142.892,53.896 v1(142.892,55.294) ; TO4.2@142.892,65.072 142.892,66.04 141.19,67.742 137.956,67.742 137.109,66.895 135.551,66.895 135.272,66.616 135.272,66.04 ; TO5.2@142.892,76.756 142.892,78.147 v1(142.9,78.156) ; TO6.2@142.892,88.186 v1(142.892,89.584) ; v1(142.9,90.5) 136.313,90.5 135.272,89.459 TO6.8@135.272,88.186 135.272,87.234
GND_5V: 5V_Supply.1 DT_BL_U_H.3 DT_BL_U_L.3 DT_BL_V_H.3 DT_BL_V_L.3 DT_BL_W_H.3 DT_BL_W_L.3 DT_BR_U_H.3 DT_BR_U_L.3 DT_BR_V_H.3 DT_BR_V_L.3 DT_BR_W_H.3 DT_BR_W_L.3 DT_FL_U_H.3 DT_FL_U_L.3 DT_FL_V_H.3 DT_FL_V_L.3 DT_FL_W_H.3 DT_FL_W_L.3 DT_FR_U_H.3 DT_FR_U_L.3 DT_FR_V_H.3 DT_FR_V_L.3 DT_FR_W_H.3 DT_FR_W_L.3 R_GND_5V_3V3.1 R_GND_SERV_5V.2 TO1.9 TO1.15 TO2.9 TO2.15 TO3.9 TO3.15 TO4.9 TO4.15 TO5.9 TO5.15 TO6.9 TO6.15 | length 997.9
  Top Layer w0.254: v1(9.068,50.8) 8.839,51.029 8.839,56.805 9.464,57.429 DT_FL_U_H.3@9.464,58.476 ; DT_FL_U_L.3@9.464,32.822 9.464,31.841 8.839,31.217 8.839,28.042 10.262,26.619 17.018,26.619 23.241,32.842 DT_FL_V_L.3@24.704,32.842 ; DT_FR_U_L.3@9.464,96.576 9.464,95.961 7.925,94.422 7.925,89.51 9.627,87.808 9.627,80.772 8.839,79.985 8.839,72.873 9.464,72.248 DT_FR_U_H.3@9.464,70.434 ; v1(16.408,65.938) 9.5,65.938 8.382,67.056 8.382,69.672 ; v1(21.92,75.438) 21.92,74.447 v1(21.946,74.422) 24.704,71.664 DT_FR_V_L.3@24.704,70.414 ; DT_FL_V_H.3@24.704,58.476 24.704,57.76 23.978,57.033 23.978,45.441 25.552,43.866 25.552,34.402 24.704,33.553 DT_FL_V_L.3@24.704,32.842 ; DT_FR_V_H.3@24.704,96.576 24.704,102.066 v1(25.076,102.438) ; v1(38.227,51.308) v1@38.481,51.562 ; v1(38.481,51.308) v1@38.481,51.562 ; v1(39.929,51.308) 39.929,43.155 37.643,40.869 37.643,35.397 39.944,33.096 DT_FL_W_L.3@39.944,32.314 39.944,31.627 33.956,25.639 25.4,25.639 23.642,27.397 23.642,31.496 24.251,32.106 24.675,32.106 24.704,32.135 DT_FL_V_L.3@24.704,32.822 DT_FL_V_L.3@24.704,32.842 ; DT_FR_W_L.3@39.944,70.414 39.944,71.77 40.919,72.746 40.919,77.241 44.399,80.721 44.399,90.424 43.155,91.669 41.148,91.669 40.869,91.389 40.869,89.865 39.395,89.865 39.395,94.778 40.198,95.58 DT_FR_W_H.3@40.198,96.576 40.198,97.536 41.214,98.552 54.168,98.552 55.184,97.536 ; v1(49.784,52.324) 52.629,55.169 ; v1(52.984,74.371) 52.984,73.863 55.184,71.664 DT_BR_U_L.3@55.184,70.414 ; DT_BL_U_L.3@55.184,32.314 55.184,32.436 53.721,32.436 52.629,33.528 52.629,55.169 ; DT_BL_U_H.3@55.184,58.476 55.184,57.724 52.629,55.169 ; DT_BR_U_H.3@55.184,96.576 55.184,97.536 ; v1(69.342,90.983) 69.342,94.971 70.424,96.053 DT_BR_V_H.3@70.424,96.576 ; v1(70.104,50.788) 69.713,51.18 69.713,57.077 70.424,57.789 DT_BL_V_H.3@70.424,58.476 ; DT_BL_V_L.3@70.424,32.314 69.799,32.029 69.799,28.88 71.12,27.559 79.629,27.559 84.384,32.314 DT_BL_W_L.3@85.664,32.314 85.664,33.401 86.639,34.376 86.639,47.803 85.039,49.403 ; DT_BR_V_L.3@70.424,71.43 70.424,72.253 71.272,73.101 71.272,77.368 ; v1(75.255,85.07) 75.255,82.189 71.272,78.207 71.272,77.368 ; v1(78.105,85.75) 78.105,87.996 84.988,94.879 ; v1(82.347,50.825) 83.617,50.825 85.039,49.403 ; v1(84.988,51.308) v1@85.039,51.308 ; DT_BL_W_H.3@85.664,58.476 85.664,57.749 85.039,57.125 v1@85.039,51.308 ; DT_BR_W_H.3@85.664,96.322 DT_BR_W_H.3@85.664,96.317 ; DT_BR_W_L.3@85.918,70.922 85.918,71.592 86.512,72.187 86.512,74.422 90.526,78.435 92.456,78.435 93.167,79.146 93.167,80.696 ; v1(93.167,85.75) 93.167,80.696 ; v1(119.075,38.024) 109.906,47.193 105.715,47.193 99.009,53.899 99.009,78.232 97.866,79.375 94.488,79.375 93.167,80.696 ; v1(135.272,61.747) v1(135.272,62.052) 135.272,67.395 ; v1(135.56,61.747) 136.119,61.189 142.327,61.189 v1(142.892,61.754) 142.892,56.422 143.612,55.702 143.612,53.442 142.9,52.73 v1(142.9,50.317) ; v1(135.941,68.064) 135.272,67.395 ; v1(135.941,68.377) 135.272,67.708 135.272,67.395 ; 8.382,69.672 DT_FR_U_H.3@9.464,70.414 DT_FR_U_H.3@9.464,70.434 ; 8.382,69.672 9.144,70.434 DT_FR_U_H.3@9.464,70.434 ; v1@38.481,51.562 38.481,57.201 38.735,57.399 ; v1@38.481,51.562 38.735,51.816 38.735,57.399 ; 38.735,57.399 39.944,58.344 DT_FL_W_H.3@39.944,58.476 39.573,58.496 38.735,57.658 38.735,57.399 ; 55.184,97.536 55.184,98.552 56.505,99.873 78.458,99.873 82.014,96.317 DT_BR_W_H.3@85.664,96.317 ; 71.272,77.368 v1(76.784,82.88) 76.784,83.718 84.988,91.923 84.988,94.879 ; 84.988,94.879 85.664,95.555 DT_BR_W_H.3@85.664,96.317 ; 85.039,49.403 v1@85.039,51.308
  Signal Layer 1 w0.305: v1(9.068,50.8) 10.592,52.324 30.023,52.324 ; v1(16.408,65.938) 30.023,52.324 ; v1(38.227,51.308) 39.243,52.324 ; v1(38.481,51.308) v1(39.929,51.308) ; v1(69.342,90.983) v1(75.255,85.07) ; v1(70.104,50.788) 70.854,50.038 83.718,50.038 v1(84.988,51.308) ; v1(76.784,82.88) 79.654,85.75 ; v1(78.105,85.75) 79.654,85.75 ; v1(82.474,50.952) 81.102,52.324 v1(49.784,52.324) 39.243,52.324 ; v1(93.167,85.75) 79.654,85.75 ; v1(129.21,39.98) 131.039,38.151 142.155,38.151 v1(142.892,38.887) ; 30.023,52.324 39.243,52.324
  Signal Layer 2 w0.305: v1(16.408,65.938) 16.408,69.926 v1(21.92,75.438) ; 5V_Supply.1@74.676,5.842 76.403,5.842 77.165,5.08 78.232,3.734 80.772,3.734 81.534,4.496 81.534,36.398 82.347,37.211 v1(82.347,50.825) v1(82.474,50.952) ; v1(135.941,68.377) 135.941,70.688 139.167,73.914 141.91,73.914 v1(142.892,72.932) ; v1(142.892,72.932) 144.577,74.615 144.577,82.931 v1(142.9,84.607)
  Bottom Layer w0.254: v1(21.946,74.422) 41.148,74.422 41.808,75.082 52.273,75.082 v1@52.984,74.676 ; v1(25.076,102.438) 30.632,102.438 34.544,98.527 34.544,92.202 35.56,91.186 50.19,91.186 51.003,90.373 54.305,90.373 55.22,91.288 61.163,91.288 62.103,90.348 67.437,90.348 ; v1(52.984,74.371) v1@52.984,74.676 ; 5V_Supply.1@74.676,5.842 71.45,5.842 70.18,7.112 R_GND_SERV_5V.2@70.18,11.938 77.267,12.192 R_GND_5V_3V3.1@83.82,12.192 ; v1(119.075,38.024) TO1.9@135.272,38.024 ; v1(129.21,39.98) 134.112,39.98 135.272,38.82 ; TO1.9@135.272,37.496 TO1.9@135.272,38.024 ; TO2.9@135.272,48.926 135.272,47.278 ; TO3.9@135.272,60.356 v1@135.272,61.46 ; v1(135.272,62.052) v1(135.272,61.747) v1@135.272,61.46 ; TO4.9@135.272,71.532 135.272,68.732 v1(135.941,68.064) ; TO5.9@135.272,83.216 135.272,84.328 ; TO6.9@135.272,94.646 135.272,93.472 ; v1(135.56,61.747) v1@135.272,61.46 ; TO1.15@142.892,37.496 v1(142.892,38.887) ; TO3.15@142.892,60.356 v1(142.892,61.754) ; TO4.15@142.892,71.532 v1(142.892,72.932) v1(142.892,72.932) ; TO5.15@142.892,83.216 v1@142.892,84.599 ; TO6.15@142.892,94.646 142.892,93.472 142.604,93.184 135.56,93.184 135.272,93.472 ; v1(142.9,50.317) 142.892,50.309 TO2.15@142.892,48.926 142.892,47.752 141.901,46.761 135.788,46.761 135.272,47.278 ; v1(142.9,84.607) v1@142.892,84.599 ; v1@52.984,74.676 64.592,74.676 66.675,76.759 66.675,89.586 67.437,90.348 ; 67.437,90.348 68.707,90.348 v1(69.342,90.983) 68.072,90.983 67.437,90.348 ; TO1.9@135.272,38.024 135.272,38.82 ; 135.272,38.82 135.272,39.632 134.569,40.335 134.569,45.322 135.272,46.025 135.272,47.278 ; 135.272,84.328 135.272,85.344 134.569,86.047 134.569,91.084 135.272,91.787 135.272,93.472 ; 135.272,84.328 135.983,85.039 137.516,85.039 137.846,85.369 142.359,85.369 142.892,84.836 v1@142.892,84.599
  other v1: 142.892,72.93